# Altium PCB FlatSat.PcbDoc (part 10 of 12)
Units mil, origin at the board's own origin, x right, y up, seen from the top; angles counter-clockwise.
Board outline 4682 x 22047 mil, 4 copper layers (Top Layer, STR GND 1, STR GND 2, Bottom Layer), stack 33.434 mil thick; 381 components, 345 nets, 1605 pads, 1915 vias.
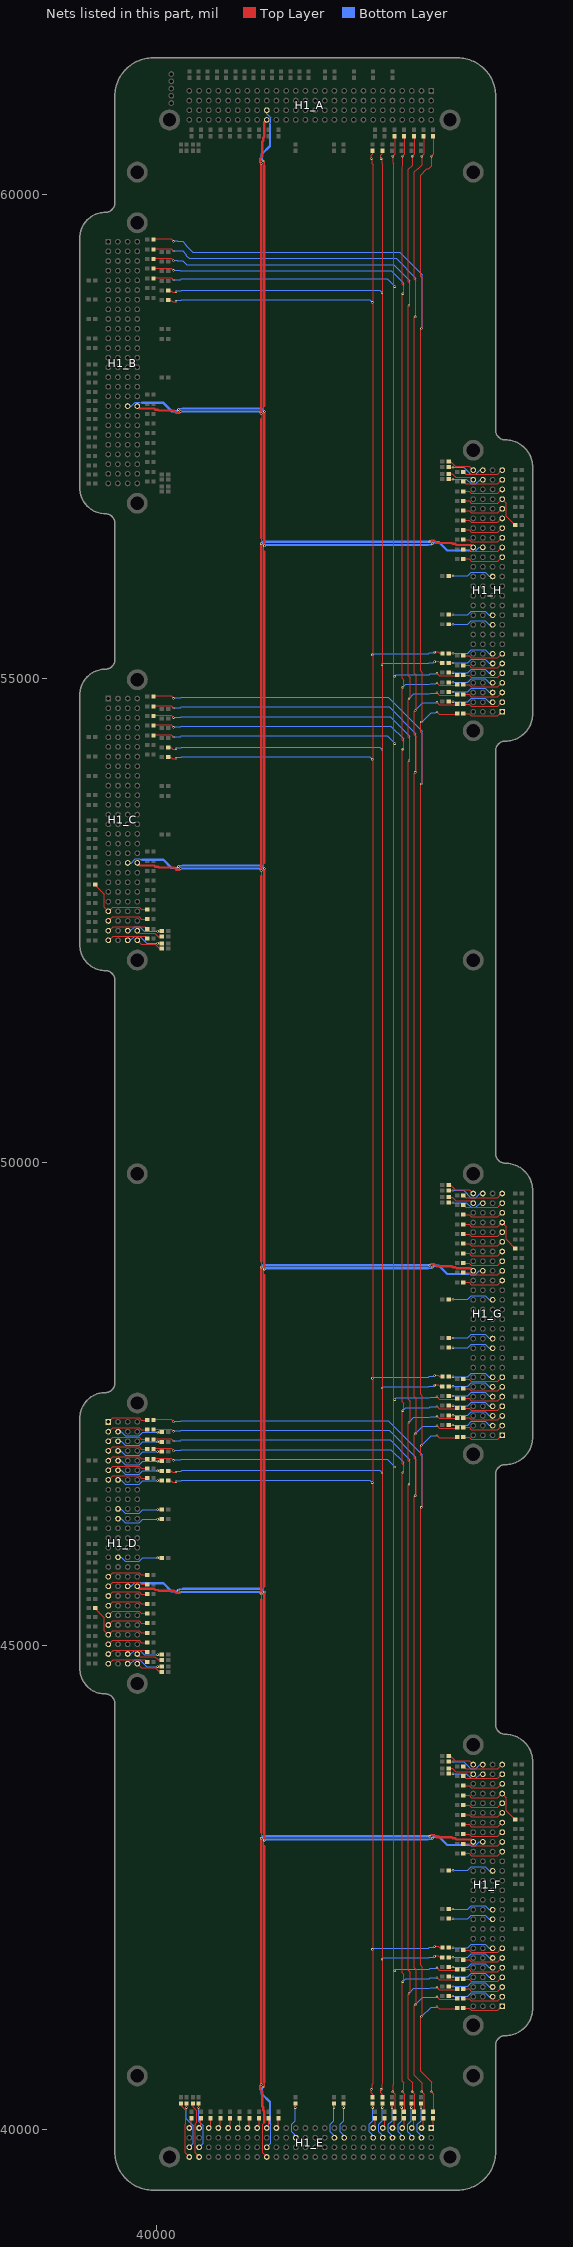
[diagram p12: the nets of this part, all layers, seen from the top]

## Via types
v1: diameter 24, hole 8, Top Layer to Bottom Layer, 1915 vias

## Nets (pads, with @x,y where several pads share a name; then routed paths per layer and width w, separated by ;. In a path a pad name is that pad's centre, name@x,y a point inside that pad or via, vN(x,y) a via of type N, cw(c..) or ccw(c..) an arc to the next point about the centre after c; other vN are vias at no path point) (continued)
NetH1_C_45: H1_C.45 J45_C.1 R45_C.2 | length 752.4
  Top Layer w8: J45_C.1@39363.48,52862.31 39457.47,52768.32 39457.47,52634.53 H1_C.45@39499,52593 ; H1_C.45@39500.48,52592 39543.01,52634.53 39818.1,52634.53 39840.62,52612 R45_C.2@39900.52,52612
NetH1_C_47: H1_C.47 R47_C.2 | length 427
  Top Layer w8: H1_C.47@39500.48,52492 39543.01,52534.53 39818.1,52534.53 39840.62,52512 R47_C.2@39900.52,52512
NetH1_C_49: H1_C.49 R49_C.2 | length 427
  Top Layer w8: H1_C.49@39500.48,52392 39505.43,52392 39547.95,52434.53 39877.99,52434.53 R49_C.2@39900.52,52412
NetH1_C_51: H1_C.51 R51_C.2 | length 427
  Top Layer w8: H1_C.51@39500.48,52292 39505.43,52292 39547.95,52334.53 39877.99,52334.53 R51_C.2@39900.52,52312
NetH1_C_101: H1_C.101 R101_C.1 | length 393.3
  Top Layer w8: 40023,52387 R101_C.1@40060.52,52387 ; R101_C.1@40037.19,52386.67 R101_C.1@40047.19,52386.67
  Bottom Layer w8: H1_C.101@39700.48,52392 39728,52392 39770.53,52434.53 39821.47,52434.53 39869,52387 v1(40009,52387)
NetH1_C_102: H1_C.102 R102_C.2 | length 261.7
  Top Layer w8: H1_C.102@39800.48,52392 39825.48,52367 39980,52367 40015,52332 40036.86,52332 R102_C.2@40037.19,52331.67
NetH1_C_103: H1_C.103 R103_C.2 | length 383.7
  Top Layer w8: v1@40019.67,52261.67 R103_C.2@40037.19,52261.67 ; R103_C.2@40033,52262 R103_C.2@40043,52262
  Bottom Layer w8: H1_C.103@39700.48,52292 39728,52292 39770.53,52334.53 39823.47,52334.53 39896,52262 v1(40009,52262)
NetH1_C_104: H1_C.104 R104_C.1 | length 272.7
  Top Layer w8: H1_C.104@39800.48,52292 39840.42,52252.06 39985,52252.06 40030.06,52207 R104_C.1@40038,52207
NetH1_D_1: H1_D.1 R1_D.2 | length 427
  Top Layer w8: H1_D.1@39500.48,47312 39543.01,47354.53 39818.1,47354.53 39840.62,47332 R1_D.2@39900.52,47332
NetH1_D_3: H1_D.3 R3_D.2 | length 427
  Top Layer w8: H1_D.3@39500.48,47212 39543.01,47254.53 39818.1,47254.53 39840.62,47232 R3_D.2@39900.52,47232
NetH1_D_4: H1_D.4 R4_D.1 | length 486.5
  Top Layer w8: v1(40009,47207) R4_D.1@40052.19,47207
  Bottom Layer w8: H1_D.4@39598,47212 39631,47212 39672.47,47170.53 39818.53,47170.53 39855,47207 v1(40009,47207)
NetH1_D_5: H1_D.5 R5_D.2 | length 427
  Top Layer w8: H1_D.5@39500.48,47112 39543.01,47154.53 39818.1,47154.53 39840.62,47132 R5_D.2@39900.52,47132
NetH1_D_6: H1_D.6 R6_D.1 | length 486.5
  Top Layer w8: v1(40009,47107) R6_D.1@40052.19,47107
  Bottom Layer w8: H1_D.6@39598,47112 39631,47112 39672.47,47070.53 39818.53,47070.53 39855,47107 v1(40009,47107)
NetH1_D_7: H1_D.7 R7_D.2 | length 427
  Top Layer w8: H1_D.7@39500.48,47012 39543.01,47054.53 39818.1,47054.53 39840.62,47032 R7_D.2@39900.52,47032
NetH1_D_8: H1_D.8 R8_D.1 | length 486.5
  Top Layer w8: v1(40009,47007) R8_D.1@40052.19,47007
  Bottom Layer w8: H1_D.8@39598,47012 39631,47012 39672.47,46970.53 39818.53,46970.53 39855,47007 v1(40009,47007)
NetH1_D_9: H1_D.9 R9_D.2 | length 427
  Top Layer w8: H1_D.9@39500.48,46912 39543.01,46954.53 39818.1,46954.53 39840.62,46932 R9_D.2@39900.52,46932
NetH1_D_10: H1_D.10 R10_D.1 | length 486.5
  Top Layer w8: v1(40009,46907) R10_D.1@40052.19,46907
  Bottom Layer w8: H1_D.10@39598,46912 39631,46912 39672.47,46870.53 39818.53,46870.53 39855,46907 v1(40009,46907)
NetH1_D_11: H1_D.11 R11_D.2 | length 427
  Top Layer w8: H1_D.11@39500.48,46812 39543.01,46854.53 39818.1,46854.53 39840.62,46832 R11_D.2@39900.52,46832
NetH1_D_12: H1_D.12 R12_D.1 | length 486.5
  Top Layer w8: v1(40009,46807) R12_D.1@40052.19,46807
  Bottom Layer w8: H1_D.12@39598,46812 39631,46812 39672.47,46770.53 39818.53,46770.53 39855,46807 v1(40009,46807)
NetH1_D_13: H1_D.13 R13_D.2 | length 427
  Top Layer w8: H1_D.13@39500.48,46712 39543.01,46754.53 39818.1,46754.53 39840.62,46732 R13_D.2@39900.52,46732
NetH1_D_14: H1_D.14 R14_D.1 | length 486.5
  Top Layer w8: v1(40009,46707) R14_D.1@40052.19,46707
  Bottom Layer w8: H1_D.14@39598,46712 39631,46712 39672.47,46670.53 39818.53,46670.53 39855,46707 v1(40009,46707)
NetH1_D_20: H1_D.20 R20_D.1 | length 486.5
  Top Layer w8: v1(40009,46407) R20_D.1@40052.19,46407
  Bottom Layer w8: H1_D.20@39598,46412 39631,46412 39672.47,46370.53 39818.53,46370.53 39855,46407 v1(40009,46407)
NetH1_D_22: H1_D.22 R22_D.1 | length 486.5
  Top Layer w8: v1(40009,46307) R22_D.1@40052.19,46307
  Bottom Layer w8: H1_D.22@39598,46312 39631,46312 39672.47,46270.53 39818.53,46270.53 39855,46307 v1(40009,46307)
NetH1_D_30: H1_D.30 R30_D.1 | length 486.5
  Top Layer w8: v1(40009,45907) R30_D.1@40052.19,45907
  Bottom Layer w8: H1_D.30@39598,45912 39631,45912 39672.47,45870.53 39818.53,45870.53 39855,45907 v1(40009,45907)
NetH1_D_33: H1_D.33 R33_D.2 | length 427
  Top Layer w8: H1_D.33@39500.48,45712 39543.01,45754.53 39818.1,45754.53 39840.62,45732 R33_D.2@39900.52,45732
NetH1_D_35: H1_D.35 R35_D.1 | length 427
  Top Layer w8: H1_D.35@39500.48,45612 39543.01,45654.53 39818.1,45654.53 39840.62,45632 R35_D.1@39900.52,45632
NetH1_D_37: H1_D.37 R37_D.2 | length 427
  Top Layer w8: H1_D.37@39500.48,45512 39543.01,45554.53 39818.1,45554.53 39840.62,45532 R37_D.2@39900.52,45532
NetH1_D_39: H1_D.39 R39_D.2 | length 427
  Top Layer w8: H1_D.39@39500.48,45412 39543.01,45454.53 39818.1,45454.53 39840.62,45432 R39_D.2@39900.52,45432
NetH1_D_41: H1_D.41 R41_D.2 | length 427
  Top Layer w8: H1_D.41@39500.48,45312 39543.01,45354.53 39818.1,45354.53 39840.62,45332 R41_D.2@39900.52,45332
NetH1_D_43: H1_D.43 R43_D.2 | length 427
  Top Layer w8: H1_D.43@39500.48,45212 39543.01,45254.53 39818.1,45254.53 39840.62,45232 R43_D.2@39900.52,45232
NetH1_D_45: H1_D.45 J45_D.1 R45_D.2 | length 752.4
  Top Layer w8: J45_D.1@39363.48,45382.31 39457.47,45288.32 39457.47,45154.53 H1_D.45@39499,45113 ; H1_D.45@39500.48,45112 39543.01,45154.53 39818.1,45154.53 39840.62,45132 R45_D.2@39900.52,45132
NetH1_D_47: H1_D.47 R47_D.2 | length 427
  Top Layer w8: H1_D.47@39500.48,45012 39543.01,45054.53 39818.1,45054.53 39840.62,45032 R47_D.2@39900.52,45032
NetH1_D_49: H1_D.49 R49_D.2 | length 427
  Top Layer w8: H1_D.49@39500.48,44912 39505.43,44912 39547.95,44954.53 39877.99,44954.53 R49_D.2@39900.52,44932
NetH1_D_51: H1_D.51 R51_D.2 | length 427
  Top Layer w8: H1_D.51@39500.48,44812 39505.43,44812 39547.95,44854.53 39877.99,44854.53 R51_D.2@39900.52,44832
NetH1_D_101: H1_D.101 R101_D.1 | length 393.3
  Top Layer w8: 40023,44907 R101_D.1@40060.52,44907 ; R101_D.1@40037.19,44906.67 R101_D.1@40047.19,44906.67
  Bottom Layer w8: H1_D.101@39700.48,44912 39728,44912 39770.53,44954.53 39821.47,44954.53 39869,44907 v1(40009,44907)
NetH1_D_102: H1_D.102 R102_D.2 | length 261.7
  Top Layer w8: H1_D.102@39800.48,44912 39825.48,44887 39980,44887 40015,44852 40036.86,44852 R102_D.2@40037.19,44851.67
NetH1_D_103: H1_D.103 R103_D.2 | length 383.7
  Top Layer w8: v1@40019.67,44781.67 R103_D.2@40037.19,44781.67 ; R103_D.2@40033,44782 R103_D.2@40043,44782
  Bottom Layer w8: H1_D.103@39700.48,44812 39728,44812 39770.53,44854.53 39823.47,44854.53 39896,44782 v1(40009,44782)
NetH1_D_104: H1_D.104 R104_D.1 | length 272.7
  Top Layer w8: H1_D.104@39800.48,44812 39840.42,44772.06 39985,44772.06 40030.06,44727 R104_D.1@40038,44727
NetH1_E_1: H1_E.1 R1_E.2 | length 109.8
  Top Layer w8: H1_E.1@42837,40012 42857,40032 R1_E.2@42857,40113.52
NetH1_E_3: H1_E.3 R3_E.2 | length 109.8
  Top Layer w8: H1_E.3@42737,40012 42757,40032 R3_E.2@42757,40113.52
NetH1_E_4: H1_E.4 R4_E.1 | length 385.5
  Top Layer w8: v1(42732,40222) R4_E.1@42732,40265.19
  Bottom Layer w8: v1(42732,40222) 42732,40089 42695.47,40052.47 42695.47,39972.53 42737,39931 H1_E.4@42737,39912
NetH1_E_5: H1_E.5 R5_E.2 | length 109.8
  Top Layer w8: H1_E.5@42637,40012 42657,40032 R5_E.2@42657,40113.52
NetH1_E_6: H1_E.6 R6_E.1 | length 385.5
  Top Layer w8: v1(42632,40222) R6_E.1@42632,40265.19
  Bottom Layer w8: v1(42632,40222) 42632,40089 42595.47,40052.47 42595.47,39972.53 42637,39931 H1_E.6@42637,39912
NetH1_E_7: H1_E.7 R7_E.2 | length 109.8
  Top Layer w8: H1_E.7@42537,40012 42557,40032 R7_E.2@42557,40113.52
NetH1_E_8: H1_E.8 R8_E.1 | length 385.5
  Top Layer w8: v1(42532,40222) R8_E.1@42532,40265.19
  Bottom Layer w8: v1(42532,40222) 42532,40089 42495.47,40052.47 42495.47,39972.53 42537,39931 H1_E.8@42537,39912
NetH1_E_9: H1_E.9 R9_E.2 | length 109.8
  Top Layer w8: H1_E.9@42437,40012 42457,40032 R9_E.2@42457,40113.52
NetH1_E_10: H1_E.10 R10_E.1 | length 385.5
  Top Layer w8: v1(42432,40222) R10_E.1@42432,40265.19
  Bottom Layer w8: v1(42432,40222) 42432,40089 42395.47,40052.47 42395.47,39972.53 42437,39931 H1_E.10@42437,39912
NetH1_E_11: H1_E.11 R11_E.2 | length 109.8
  Top Layer w8: H1_E.11@42337,40012 42357,40032 R11_E.2@42357,40113.52
NetH1_E_12: H1_E.12 R12_E.1 | length 385.5
  Top Layer w8: v1(42332,40222) R12_E.1@42332,40265.19
  Bottom Layer w8: v1(42332,40222) 42332,40089 42295.47,40052.47 42295.47,39972.53 42337,39931 H1_E.12@42337,39912
NetH1_E_13: H1_E.13 R13_E.2 | length 109.8
  Top Layer w8: H1_E.13@42237,40012 42257,40032 R13_E.2@42257,40113.52
NetH1_E_14: H1_E.14 R14_E.1 | length 385.5
  Top Layer w8: v1(42232,40222) R14_E.1@42232,40265.19
  Bottom Layer w8: v1(42232,40222) 42232,40089 42195.47,40052.47 42195.47,39972.53 42237,39931 H1_E.14@42237,39912
NetH1_E_20: H1_E.20 R20_E.1 | length 385.5
  Top Layer w8: v1(41932,40222) R20_E.1@41932,40265.19
  Bottom Layer w8: v1(41932,40222) 41932,40089 41895.47,40052.47 41895.47,39972.53 41937,39931 H1_E.20@41937,39912
NetH1_E_22: H1_E.22 R22_E.1 | length 385.5
  Top Layer w8: v1(41832,40222) R22_E.1@41832,40265.19
  Bottom Layer w8: v1(41832,40222) 41832,40089 41795.47,40052.47 41795.47,39972.53 41837,39931 H1_E.22@41837,39912
NetH1_E_30: H1_E.30 R30_E.1 | length 385.5
  Top Layer w8: v1(41432,40222) R30_E.1@41432,40265.19
  Bottom Layer w8: v1(41432,40222) 41432,40089 41395.47,40052.47 41395.47,39972.53 41437,39931 H1_E.30@41437,39912
NetH1_E_33: H1_E.33 R33_E.2 | length 109.8
  Top Layer w8: H1_E.33@41237,40012 41257,40032 R33_E.2@41257,40113.52
NetH1_E_35: H1_E.35 R35_E.1 | length 109.8
  Top Layer w8: H1_E.35@41137,40012 41157,40032 R35_E.1@41157,40113.52
NetH1_E_37: H1_E.37 R37_E.2 | length 109.8
  Top Layer w8: H1_E.37@41037,40012 41057,40032 R37_E.2@41057,40113.52
NetH1_E_39: H1_E.39 R39_E.2 | length 109.8
  Top Layer w8: H1_E.39@40937,40012 40957,40032 R39_E.2@40957,40113.52
NetH1_E_41: H1_E.41 R41_E.2 | length 109.8
  Top Layer w8: H1_E.41@40837,40012 40857,40032 R41_E.2@40857,40113.52
NetH1_E_43: H1_E.43 R43_E.2 | length 109.8
  Top Layer w8: H1_E.43@40737,40012 40757,40032 R43_E.2@40757,40113.52
NetH1_E_45: H1_E.45 R45_E.2 | length 109.8
  Top Layer w8: H1_E.45@40637,40012 40657,40032 R45_E.2@40657,40113.52
NetH1_E_47: H1_E.47 R47_E.2 | length 109.8
  Top Layer w8: H1_E.47@40537,40012 40557,40032 R47_E.2@40557,40113.52
NetH1_E_49: H1_E.49 R49_E.2 | length 109.8
  Top Layer w8: H1_E.49@40437,40012 40457,40032 R49_E.2@40457,40113.52
NetH1_E_51: H1_E.51 R51_E.2 | length 109.8
  Top Layer w8: H1_E.51@40337,40012 40357,40032 R51_E.2@40357,40113.52
NetH1_E_101: H1_E.101 R101_E.1 | length 494
  Top Layer w8: R101_E.1@40431.67,40250.19 R101_E.1@40431.67,40260.19 ; 40432,40236 R101_E.1@40432,40273.52
  Bottom Layer w8: v1(40432,40222) 40432,40082 40478.53,40035.47 40478.53,39853.53 H1_E.101@40437,39812
NetH1_E_102: H1_E.102 R102_E.2 | length 576.9
  Top Layer w8: R102_E.2@40376.67,40250.19 40377,40249.86 40377,40225 40412,40190 40412,40069 40395.47,40052.47 40395.47,39753.53 H1_E.102@40437,39712
NetH1_E_103: H1_E.103 R103_E.2 | length 484.3
  Top Layer w8: v1@40306.67,40232.67 R103_E.2@40306.67,40250.19 ; R103_E.2@40307,40246 R103_E.2@40307,40256
  Bottom Layer w8: v1(40307,40222) 40307,40109 40378.53,40037.47 40378.53,39853.53 H1_E.103@40337,39812
NetH1_E_104: H1_E.104 R104_E.1 | length 575.5
  Top Layer w8: R104_E.1@40252,40251 40252,40243.06 40297.06,40198 40297.06,40053.42 40295.47,40051.83 40295.47,39753.53 H1_E.104@40337,39712
NetH1_F_1: H1_F.1 R1_F.2 | length 427
  Top Layer w8: R1_F.2@43170.48,41251 43230.38,41251 43252.9,41228.47 43527.99,41228.47 H1_F.1@43570.52,41271
NetH1_F_3: H1_F.3 R3_F.2 | length 427
  Top Layer w8: R3_F.2@43170.48,41351 43230.38,41351 43252.9,41328.47 43527.99,41328.47 H1_F.3@43570.52,41371
NetH1_F_4: H1_F.4 R4_F.1 | length 486.5
  Top Layer w8: R4_F.1@43018.81,41376 v1(43062,41376)
  Bottom Layer w8: v1(43062,41376) 43216,41376 43252.47,41412.47 43398.53,41412.47 43440,41371 H1_F.4@43473,41371
NetH1_F_5: H1_F.5 R5_F.2 | length 427
  Top Layer w8: R5_F.2@43170.48,41451 43230.38,41451 43252.9,41428.47 43527.99,41428.47 H1_F.5@43570.52,41471
NetH1_F_6: H1_F.6 R6_F.1 | length 486.5
  Top Layer w8: R6_F.1@43018.81,41476 v1(43062,41476)
  Bottom Layer w8: v1(43062,41476) 43216,41476 43252.47,41512.47 43398.53,41512.47 43440,41471 H1_F.6@43473,41471
NetH1_F_7: H1_F.7 R7_F.2 | length 427
  Top Layer w8: R7_F.2@43170.48,41551 43230.38,41551 43252.9,41528.47 43527.99,41528.47 H1_F.7@43570.52,41571
NetH1_F_8: H1_F.8 R8_F.1 | length 486.5
  Top Layer w8: R8_F.1@43018.81,41576 v1(43062,41576)
  Bottom Layer w8: v1(43062,41576) 43216,41576 43252.47,41612.47 43398.53,41612.47 43440,41571 H1_F.8@43473,41571
NetH1_F_9: H1_F.9 R9_F.2 | length 427
  Top Layer w8: R9_F.2@43170.48,41651 43230.38,41651 43252.9,41628.47 43527.99,41628.47 H1_F.9@43570.52,41671
NetH1_F_10: H1_F.10 R10_F.1 | length 486.5
  Top Layer w8: R10_F.1@43018.81,41676 v1(43062,41676)
  Bottom Layer w8: v1(43062,41676) 43216,41676 43252.47,41712.47 43398.53,41712.47 43440,41671 H1_F.10@43473,41671
NetH1_F_11: H1_F.11 R11_F.2 | length 427
  Top Layer w8: R11_F.2@43170.48,41751 43230.38,41751 43252.9,41728.47 43527.99,41728.47 H1_F.11@43570.52,41771
NetH1_F_12: H1_F.12 R12_F.1 | length 486.5
  Top Layer w8: R12_F.1@43018.81,41776 v1(43062,41776)
  Bottom Layer w8: v1(43062,41776) 43216,41776 43252.47,41812.47 43398.53,41812.47 43440,41771 H1_F.12@43473,41771
NetH1_F_13: H1_F.13 R13_F.2 | length 427
  Top Layer w8: R13_F.2@43170.48,41851 43230.38,41851 43252.9,41828.47 43527.99,41828.47 H1_F.13@43570.52,41871
NetH1_F_14: H1_F.14 R14_F.1 | length 486.5
  Top Layer w8: R14_F.1@43018.81,41876 v1(43062,41876)
  Bottom Layer w8: v1(43062,41876) 43216,41876 43252.47,41912.47 43398.53,41912.47 43440,41871 H1_F.14@43473,41871
NetH1_F_20: H1_F.20 R20_F.1 | length 486.5
  Top Layer w8: R20_F.1@43018.81,42176 v1(43062,42176)
  Bottom Layer w8: v1(43062,42176) 43216,42176 43252.47,42212.47 43398.53,42212.47 43440,42171 H1_F.20@43473,42171
NetH1_F_22: H1_F.22 R22_F.1 | length 486.5
  Top Layer w8: R22_F.1@43018.81,42276 v1(43062,42276)
  Bottom Layer w8: v1(43062,42276) 43216,42276 43252.47,42312.47 43398.53,42312.47 43440,42271 H1_F.22@43473,42271
NetH1_F_30: H1_F.30 R30_F.1 | length 486.5
  Top Layer w8: R30_F.1@43018.81,42676 v1(43062,42676)
  Bottom Layer w8: v1(43062,42676) 43216,42676 43252.47,42712.47 43398.53,42712.47 43440,42671 H1_F.30@43473,42671
NetH1_F_33: H1_F.33 R33_F.2 | length 427
  Top Layer w8: R33_F.2@43170.48,42851 43230.38,42851 43252.9,42828.47 43527.99,42828.47 H1_F.33@43570.52,42871
NetH1_F_35: H1_F.35 R35_F.1 | length 427
  Top Layer w8: R35_F.1@43170.48,42951 43230.38,42951 43252.9,42928.47 43527.99,42928.47 H1_F.35@43570.52,42971
NetH1_F_37: H1_F.37 R37_F.2 | length 427
  Top Layer w8: R37_F.2@43170.48,43051 43230.38,43051 43252.9,43028.47 43527.99,43028.47 H1_F.37@43570.52,43071
NetH1_F_39: H1_F.39 R39_F.2 | length 427
  Top Layer w8: R39_F.2@43170.48,43151 43230.38,43151 43252.9,43128.47 43527.99,43128.47 H1_F.39@43570.52,43171
NetH1_F_41: H1_F.41 R41_F.2 | length 427
  Top Layer w8: R41_F.2@43170.48,43251 43230.38,43251 43252.9,43228.47 43527.99,43228.47 H1_F.41@43570.52,43271
NetH1_F_43: H1_F.43 R43_F.2 | length 427
  Top Layer w8: R43_F.2@43170.48,43351 43230.38,43351 43252.9,43328.47 43527.99,43328.47 H1_F.43@43570.52,43371
NetH1_F_45: H1_F.45 J45_F.1 R45_F.2 | length 752.4
  Top Layer w8: R45_F.2@43170.48,43451 43230.38,43451 43252.9,43428.47 43527.99,43428.47 H1_F.45@43570.52,43471 ; H1_F.45@43572,43470 43613.53,43428.47 43613.53,43294.68 J45_F.1@43707.52,43200.69
NetH1_F_47: H1_F.47 R47_F.2 | length 427
  Top Layer w8: R47_F.2@43170.48,43551 43230.38,43551 43252.9,43528.47 43527.99,43528.47 H1_F.47@43570.52,43571
NetH1_F_49: H1_F.49 R49_F.2 | length 427
  Top Layer w8: R49_F.2@43170.48,43651 43193.01,43628.47 43523.05,43628.47 43565.57,43671 H1_F.49@43570.52,43671
NetH1_F_51: H1_F.51 R51_F.2 | length 427
  Top Layer w8: R51_F.2@43170.48,43751 43193.01,43728.47 43523.05,43728.47 43565.57,43771 H1_F.51@43570.52,43771
NetH1_F_101: H1_F.101 R101_F.1 | length 393.3
  Top Layer w8: R101_F.1@43010.48,43676 43048,43676 ; R101_F.1@43023.81,43676.33 R101_F.1@43033.81,43676.33
  Bottom Layer w8: v1(43062,43676) 43202,43676 43249.53,43628.47 43300.47,43628.47 43343,43671 H1_F.101@43370.52,43671
NetH1_F_102: H1_F.102 R102_F.2 | length 261.7
  Top Layer w8: R102_F.2@43033.81,43731.33 43034.14,43731 43056,43731 43091,43696 43245.52,43696 H1_F.102@43270.52,43671
NetH1_F_103: H1_F.103 R103_F.2 | length 383.7
  Top Layer w8: R103_F.2@43028,43801 R103_F.2@43038,43801 ; R103_F.2@43033.81,43801.33 v1@43051.33,43801.33
  Bottom Layer w8: v1(43062,43801) 43175,43801 43247.53,43728.47 43300.47,43728.47 43343,43771 H1_F.103@43370.52,43771
NetH1_F_104: H1_F.104 R104_F.1 | length 272.7
  Top Layer w8: R104_F.1@43033,43856 43040.94,43856 43086,43810.94 43230.58,43810.94 H1_F.104@43270.52,43771
NetH1_G_1: H1_G.1 R1_G.2 | length 427
  Top Layer w8: R1_G.2@43170.48,47156 43230.38,47156 43252.9,47133.47 43527.99,47133.47 H1_G.1@43570.52,47176
NetH1_G_3: H1_G.3 R3_G.2 | length 427
  Top Layer w8: R3_G.2@43170.48,47256 43230.38,47256 43252.9,47233.47 43527.99,47233.47 H1_G.3@43570.52,47276
NetH1_G_4: H1_G.4 R4_G.1 | length 486.5
  Top Layer w8: R4_G.1@43018.81,47281 v1(43062,47281)
  Bottom Layer w8: v1(43062,47281) 43216,47281 43252.47,47317.47 43398.53,47317.47 43440,47276 H1_G.4@43473,47276
NetH1_G_5: H1_G.5 R5_G.2 | length 427
  Top Layer w8: R5_G.2@43170.48,47356 43230.38,47356 43252.9,47333.47 43527.99,47333.47 H1_G.5@43570.52,47376
NetH1_G_6: H1_G.6 R6_G.1 | length 486.5
  Top Layer w8: R6_G.1@43018.81,47381 v1(43062,47381)
  Bottom Layer w8: v1(43062,47381) 43216,47381 43252.47,47417.47 43398.53,47417.47 43440,47376 H1_G.6@43473,47376
NetH1_G_7: H1_G.7 R7_G.2 | length 427
  Top Layer w8: R7_G.2@43170.48,47456 43230.38,47456 43252.9,47433.47 43527.99,47433.47 H1_G.7@43570.52,47476
NetH1_G_8: H1_G.8 R8_G.1 | length 486.5
  Top Layer w8: R8_G.1@43018.81,47481 v1(43062,47481)
  Bottom Layer w8: v1(43062,47481) 43216,47481 43252.47,47517.47 43398.53,47517.47 43440,47476 H1_G.8@43473,47476
NetH1_G_9: H1_G.9 R9_G.2 | length 427
  Top Layer w8: R9_G.2@43170.48,47556 43230.38,47556 43252.9,47533.47 43527.99,47533.47 H1_G.9@43570.52,47576
NetH1_G_10: H1_G.10 R10_G.1 | length 486.5
  Top Layer w8: R10_G.1@43018.81,47581 v1(43062,47581)
  Bottom Layer w8: v1(43062,47581) 43216,47581 43252.47,47617.47 43398.53,47617.47 43440,47576 H1_G.10@43473,47576
NetH1_G_11: H1_G.11 R11_G.2 | length 427
  Top Layer w8: R11_G.2@43170.48,47656 43230.38,47656 43252.9,47633.47 43527.99,47633.47 H1_G.11@43570.52,47676
NetH1_G_12: H1_G.12 R12_G.1 | length 486.5
  Top Layer w8: R12_G.1@43018.81,47681 v1(43062,47681)
  Bottom Layer w8: v1(43062,47681) 43216,47681 43252.47,47717.47 43398.53,47717.47 43440,47676 H1_G.12@43473,47676
NetH1_G_13: H1_G.13 R13_G.2 | length 427
  Top Layer w8: R13_G.2@43170.48,47756 43230.38,47756 43252.9,47733.47 43527.99,47733.47 H1_G.13@43570.52,47776
NetH1_G_14: H1_G.14 R14_G.1 | length 486.5
  Top Layer w8: R14_G.1@43018.81,47781 v1(43062,47781)
  Bottom Layer w8: v1(43062,47781) 43216,47781 43252.47,47817.47 43398.53,47817.47 43440,47776 H1_G.14@43473,47776
NetH1_G_20: H1_G.20 R20_G.1 | length 486.5
  Top Layer w8: R20_G.1@43018.81,48081 v1(43062,48081)
  Bottom Layer w8: v1(43062,48081) 43216,48081 43252.47,48117.47 43398.53,48117.47 43440,48076 H1_G.20@43473,48076
NetH1_G_22: H1_G.22 R22_G.1 | length 486.5
  Top Layer w8: R22_G.1@43018.81,48181 v1(43062,48181)
  Bottom Layer w8: v1(43062,48181) 43216,48181 43252.47,48217.47 43398.53,48217.47 43440,48176 H1_G.22@43473,48176
NetH1_G_30: H1_G.30 R30_G.1 | length 486.5
  Top Layer w8: R30_G.1@43018.81,48581 v1(43062,48581)
  Bottom Layer w8: v1(43062,48581) 43216,48581 43252.47,48617.47 43398.53,48617.47 43440,48576 H1_G.30@43473,48576
NetH1_G_33: H1_G.33 R33_G.2 | length 427
  Top Layer w8: R33_G.2@43170.48,48756 43230.38,48756 43252.9,48733.47 43527.99,48733.47 H1_G.33@43570.52,48776
NetH1_G_35: H1_G.35 R35_G.1 | length 427
  Top Layer w8: R35_G.1@43170.48,48856 43230.38,48856 43252.9,48833.47 43527.99,48833.47 H1_G.35@43570.52,48876
NetH1_G_37: H1_G.37 R37_G.2 | length 427
  Top Layer w8: R37_G.2@43170.48,48956 43230.38,48956 43252.9,48933.47 43527.99,48933.47 H1_G.37@43570.52,48976
NetH1_G_39: H1_G.39 R39_G.2 | length 427
  Top Layer w8: R39_G.2@43170.48,49056 43230.38,49056 43252.9,49033.47 43527.99,49033.47 H1_G.39@43570.52,49076
NetH1_G_41: H1_G.41 R41_G.2 | length 427
  Top Layer w8: R41_G.2@43170.48,49156 43230.38,49156 43252.9,49133.47 43527.99,49133.47 H1_G.41@43570.52,49176
NetH1_G_43: H1_G.43 R43_G.2 | length 427
  Top Layer w8: R43_G.2@43170.48,49256 43230.38,49256 43252.9,49233.47 43527.99,49233.47 H1_G.43@43570.52,49276
NetH1_G_45: H1_G.45 J45_G.1 R45_G.2 | length 752.4
  Top Layer w8: R45_G.2@43170.48,49356 43230.38,49356 43252.9,49333.47 43527.99,49333.47 H1_G.45@43570.52,49376 ; H1_G.45@43572,49375 43613.53,49333.47 43613.53,49199.68 J45_G.1@43707.52,49105.69
NetH1_G_47: H1_G.47 R47_G.2 | length 427
  Top Layer w8: R47_G.2@43170.48,49456 43230.38,49456 43252.9,49433.47 43527.99,49433.47 H1_G.47@43570.52,49476
NetH1_G_49: H1_G.49 R49_G.2 | length 427
  Top Layer w8: R49_G.2@43170.48,49556 43193.01,49533.47 43523.05,49533.47 43565.57,49576 H1_G.49@43570.52,49576
NetH1_G_51: H1_G.51 R51_G.2 | length 427
  Top Layer w8: R51_G.2@43170.48,49656 43193.01,49633.47 43523.05,49633.47 43565.57,49676 H1_G.51@43570.52,49676
NetH1_G_101: H1_G.101 R101_G.1 | length 393.3
  Top Layer w8: R101_G.1@43010.48,49581 43048,49581 ; R101_G.1@43023.81,49581.33 R101_G.1@43033.81,49581.33
  Bottom Layer w8: v1(43062,49581) 43202,49581 43249.53,49533.47 43300.47,49533.47 43343,49576 H1_G.101@43370.52,49576
NetH1_G_102: H1_G.102 R102_G.2 | length 261.7
  Top Layer w8: R102_G.2@43033.81,49636.33 43034.14,49636 43056,49636 43091,49601 43245.52,49601 H1_G.102@43270.52,49576
NetH1_G_103: H1_G.103 R103_G.2 | length 383.7
  Top Layer w8: R103_G.2@43028,49706 R103_G.2@43038,49706 ; R103_G.2@43033.81,49706.33 v1@43051.33,49706.33
  Bottom Layer w8: v1(43062,49706) 43175,49706 43247.53,49633.47 43300.47,49633.47 43343,49676 H1_G.103@43370.52,49676
NetH1_G_104: H1_G.104 R104_G.1 | length 272.7
  Top Layer w8: R104_G.1@43033,49761 43040.94,49761 43086,49715.94 43230.58,49715.94 H1_G.104@43270.52,49676
NetH1_H_1: H1_H.1 R1_H.2 | length 427
  Top Layer w8: R1_H.2@43170.48,54636 43230.38,54636 43252.9,54613.47 43527.99,54613.47 H1_H.1@43570.52,54656
NetH1_H_3: H1_H.3 R3_H.2 | length 427
  Top Layer w8: R3_H.2@43170.48,54736 43230.38,54736 43252.9,54713.47 43527.99,54713.47 H1_H.3@43570.52,54756
NetH1_H_4: H1_H.4 R4_H.1 | length 486.5
  Top Layer w8: R4_H.1@43018.81,54761 v1(43062,54761)
  Bottom Layer w8: v1(43062,54761) 43216,54761 43252.47,54797.47 43398.53,54797.47 43440,54756 H1_H.4@43473,54756
NetH1_H_5: H1_H.5 R5_H.2 | length 427
  Top Layer w8: R5_H.2@43170.48,54836 43230.38,54836 43252.9,54813.47 43527.99,54813.47 H1_H.5@43570.52,54856
NetH1_H_6: H1_H.6 R6_H.1 | length 486.5
  Top Layer w8: R6_H.1@43018.81,54861 v1(43062,54861)
  Bottom Layer w8: v1(43062,54861) 43216,54861 43252.47,54897.47 43398.53,54897.47 43440,54856 H1_H.6@43473,54856
NetH1_H_7: H1_H.7 R7_H.2 | length 427
  Top Layer w8: R7_H.2@43170.48,54936 43230.38,54936 43252.9,54913.47 43527.99,54913.47 H1_H.7@43570.52,54956
NetH1_H_8: H1_H.8 R8_H.1 | length 486.5
  Top Layer w8: R8_H.1@43018.81,54961 v1(43062,54961)
  Bottom Layer w8: v1(43062,54961) 43216,54961 43252.47,54997.47 43398.53,54997.47 43440,54956 H1_H.8@43473,54956
NetH1_H_9: H1_H.9 R9_H.2 | length 427
  Top Layer w8: R9_H.2@43170.48,55036 43230.38,55036 43252.9,55013.47 43527.99,55013.47 H1_H.9@43570.52,55056
NetH1_H_10: H1_H.10 R10_H.1 | length 486.5
  Top Layer w8: R10_H.1@43018.81,55061 v1(43062,55061)
  Bottom Layer w8: v1(43062,55061) 43216,55061 43252.47,55097.47 43398.53,55097.47 43440,55056 H1_H.10@43473,55056
NetH1_H_11: H1_H.11 R11_H.2 | length 427
  Top Layer w8: R11_H.2@43170.48,55136 43230.38,55136 43252.9,55113.47 43527.99,55113.47 H1_H.11@43570.52,55156
NetH1_H_12: H1_H.12 R12_H.1 | length 486.5
  Top Layer w8: R12_H.1@43018.81,55161 v1(43062,55161)
  Bottom Layer w8: v1(43062,55161) 43216,55161 43252.47,55197.47 43398.53,55197.47 43440,55156 H1_H.12@43473,55156
NetH1_H_13: H1_H.13 R13_H.2 | length 427
  Top Layer w8: R13_H.2@43170.48,55236 43230.38,55236 43252.9,55213.47 43527.99,55213.47 H1_H.13@43570.52,55256
NetH1_H_14: H1_H.14 R14_H.1 | length 486.5
  Top Layer w8: R14_H.1@43018.81,55261 v1(43062,55261)
  Bottom Layer w8: v1(43062,55261) 43216,55261 43252.47,55297.47 43398.53,55297.47 43440,55256 H1_H.14@43473,55256
NetH1_H_20: H1_H.20 R20_H.1 | length 486.5
  Top Layer w8: R20_H.1@43018.81,55561 v1(43062,55561)
  Bottom Layer w8: v1(43062,55561) 43216,55561 43252.47,55597.47 43398.53,55597.47 43440,55556 H1_H.20@43473,55556
NetH1_H_22: H1_H.22 R22_H.1 | length 486.5
  Top Layer w8: R22_H.1@43018.81,55661 v1(43062,55661)
  Bottom Layer w8: v1(43062,55661) 43216,55661 43252.47,55697.47 43398.53,55697.47 43440,55656 H1_H.22@43473,55656
NetH1_H_30: H1_H.30 R30_H.1 | length 486.5
  Top Layer w8: R30_H.1@43018.81,56061 v1(43062,56061)
  Bottom Layer w8: v1(43062,56061) 43216,56061 43252.47,56097.47 43398.53,56097.47 43440,56056 H1_H.30@43473,56056
NetH1_H_33: H1_H.33 R33_H.2 | length 427
  Top Layer w8: R33_H.2@43170.48,56236 43230.38,56236 43252.9,56213.47 43527.99,56213.47 H1_H.33@43570.52,56256
NetH1_H_35: H1_H.35 R35_H.1 | length 427
  Top Layer w8: R35_H.1@43170.48,56336 43230.38,56336 43252.9,56313.47 43527.99,56313.47 H1_H.35@43570.52,56356
NetH1_H_37: H1_H.37 R37_H.2 | length 427
  Top Layer w8: R37_H.2@43170.48,56436 43230.38,56436 43252.9,56413.47 43527.99,56413.47 H1_H.37@43570.52,56456
NetH1_H_39: H1_H.39 R39_H.2 | length 427
  Top Layer w8: R39_H.2@43170.48,56536 43230.38,56536 43252.9,56513.47 43527.99,56513.47 H1_H.39@43570.52,56556
NetH1_H_41: H1_H.41 R41_H.2 | length 427
  Top Layer w8: R41_H.2@43170.48,56636 43230.38,56636 43252.9,56613.47 43527.99,56613.47 H1_H.41@43570.52,56656
NetH1_H_43: H1_H.43 R43_H.2 | length 427
  Top Layer w8: R43_H.2@43170.48,56736 43230.38,56736 43252.9,56713.47 43527.99,56713.47 H1_H.43@43570.52,56756
NetH1_H_45: H1_H.45 J45_H.1 R45_H.2 | length 752.4
  Top Layer w8: R45_H.2@43170.48,56836 43230.38,56836 43252.9,56813.47 43527.99,56813.47 H1_H.45@43570.52,56856 ; H1_H.45@43572,56855 43613.53,56813.47 43613.53,56679.68 J45_H.1@43707.52,56585.69
NetH1_H_47: H1_H.47 R47_H.2 | length 427
  Top Layer w8: R47_H.2@43170.48,56936 43230.38,56936 43252.9,56913.47 43527.99,56913.47 H1_H.47@43570.52,56956
NetH1_H_49: H1_H.49 R49_H.2 | length 427
  Top Layer w8: R49_H.2@43170.48,57036 43193.01,57013.47 43523.05,57013.47 43565.57,57056 H1_H.49@43570.52,57056
NetH1_H_51: H1_H.51 R51_H.2 | length 427
  Top Layer w8: R51_H.2@43170.48,57136 43193.01,57113.47 43523.05,57113.47 43565.57,57156 H1_H.51@43570.52,57156
NetH1_H_101: H1_H.101 R101_H.1 | length 393.3
  Top Layer w8: R101_H.1@43010.48,57061 43048,57061 ; R101_H.1@43023.81,57061.33 R101_H.1@43033.81,57061.33
  Bottom Layer w8: v1(43062,57061) 43202,57061 43249.53,57013.47 43300.47,57013.47 43343,57056 H1_H.101@43370.52,57056
NetH1_H_102: H1_H.102 R102_H.2 | length 261.7
  Top Layer w8: R102_H.2@43033.81,57116.33 43034.14,57116 43056,57116 43091,57081 43245.52,57081 H1_H.102@43270.52,57056
NetH1_H_103: H1_H.103 R103_H.2 | length 383.7
  Top Layer w8: R103_H.2@43028,57186 R103_H.2@43038,57186 ; R103_H.2@43033.81,57186.33 v1@43051.33,57186.33
  Bottom Layer w8: v1(43062,57186) 43175,57186 43247.53,57113.47 43300.47,57113.47 43343,57156 H1_H.103@43370.52,57156
NetH1_H_104: H1_H.104 R104_H.1 | length 272.7
  Top Layer w8: R104_H.1@43033,57241 43040.94,57241 43086,57195.94 43230.58,57195.94 H1_H.104@43270.52,57156
PAYLOAD_SS1: R1_A.1 R1_B.1 R1_C.1 R1_D.1 R1_E.1 R1_F.1 R1_G.1 R1_H.1 | length 32450.4
  Top Layer w8: R1_D.1@39965.48,47332 39965.48,47339.67 40148.33,47339.67 v1(40173,47315) ; R1_C.1@39965.48,54812 39965.48,54819.67 40148.33,54819.67 v1(40173,54795) ; R1_B.1@39965.48,59537 39965.48,59544.67 40148.33,59544.67 v1(40173,59520) ; 42728,54541 42728,54446 42745,54429 42745,53919 v1(42736,53910) 42728,53902 42728,47600.1 42747.25,47580.84 42747.25,47081.25 v1(42736,47070) 42728,47062 42728,46966 42745,46949 42745,46439 v1(42736,46430) 42728,46422 42728,41695.1 42747.25,41675.84 42747.25,41176.25 v1(42736,41165) 42728,41157 42728,40601.25 42845,40484.25 42845,40400 42840,40395 v1(42840,40386) 42864.67,40361.33 42864.67,40178.48 R1_E.1@42857,40178.48 ; v1@42728,54542 v1(42736,54550) 42747.25,54561.25 42747.25,55060.84 42728,55080.1 42728,58620 v1(42736,58620) ; v1@42744,58620 42744,59139.16 42728,59155.16 42728,60204.29 42793.71,60270 42812.25,60270 42845,60302.75 42845,60387 42840,60392 v1(42840,60401) 42864.67,60425.67 42864.67,60608.52 R1_A.1@42857,60608.52 ; v1(42898,41268) 42922.67,41243.33 43105.52,41243.33 R1_F.1@43105.52,41251 ; v1(42898,47173) 42922.67,47148.33 43105.52,47148.33 R1_G.1@43105.52,47156 ; v1(42898,54653) 42922.67,54628.33 43105.52,54628.33 R1_H.1@43105.52,54636
  Bottom Layer w8: v1(40173,47315) 40182,47315 40187,47320 40245.78,47320 40252.78,47327 42393.63,47327 42745,46975.63 42745,46440 v1@42735,46430 ; v1(40173,54795) 40182,54795 40187,54800 40245.78,54800 40252.78,54807 42393.63,54807 42745,54455.63 42745,53920 v1@42735,53910 ; v1(40173,59520) 40182,59520 40187,59525 40212,59525 40217,59520 40267.2,59520 40304.82,59482.37 40304.82,59472.88 40369.71,59408 42510,59408 42744,59174 v1@42744,58620 ; v1@42738,41165 42836,41263 42884,41263 42889,41268 v1(42898,41268) ; v1@42738,47070 42836,47168 42884,47168 42889,47173 v1(42898,47173) ; v1@42738,54550 42836,54648 42884,54648 42889,54653 v1(42898,54653)
PAYLOAD_SS2: R3_A.1 R3_B.1 R3_C.1 R3_D.1 R3_E.1 R3_F.1 R3_G.1 R3_H.1 | length 31858
  Top Layer w8: R3_D.1@39965.48,47232 39965.48,47239.67 40148.33,47239.67 v1(40173,47215) ; R3_C.1@39965.48,54712 39965.48,54719.67 40148.33,54719.67 v1(40173,54695) ; R3_B.1@39965.48,59437 39965.48,59444.67 40148.33,59444.67 v1(40173,59420) ; v1(42672,58740) 42664,58740 42664,55053.59 42683.25,55034.33 42683.25,54681.25 v1(42672,54670) 42664,54662 42664,54419.49 42681,54402.49 42681,54039 v1(42672,54030) 42664,54022 42664,47573.59 42683.25,47554.33 42683.25,47201.25 v1(42672,47190) 42664,47182 42664,46939.49 42681,46922.49 42681,46559 v1(42672,46550) 42664,46542 42664,41668.59 42683.25,41649.33 42683.25,41296.25 v1(42672,41285) 42664,41277 42664,40556.2 42745,40475.2 42745,40400 42740,40395 v1(42740,40386) 42764.67,40361.33 42764.67,40178.48 R3_E.1@42757,40178.48 ; v1@42680,58740 42680,59112.65 42664,59128.65 42664,60237.49 42696.51,60270 42703.2,60270 42745,60311.8 42745,60387 42740,60392 v1(42740,60401) 42764.67,60425.67 42764.67,60608.52 R3_A.1@42757,60608.52 ; v1(42898,41368) 42922.67,41343.33 43105.52,41343.33 R3_F.1@43105.52,41351 ; v1(42898,47273) 42922.67,47248.33 43105.52,47248.33 R3_G.1@43105.52,47256 ; v1(42898,54753) 42922.67,54728.33 43105.52,54728.33 R3_H.1@43105.52,54736
  Bottom Layer w8: v1(40173,47215) 40182,47215 40187,47220 40245.78,47220 40252.78,47227 42402.27,47227 42680,46949.27 42680,46582 ; v1(40173,54695) 40182,54695 40187,54700 40245.78,54700 40252.78,54707 42402.27,54707 42680,54429.27 42680,54062 ; v1(40173,59420) 40182,59420 40187,59425 40207,59425 40211,59421 40266.2,59421 40304,59383.2 40304,59373.71 40333.71,59344 42476.22,59344 42680,59140.22 v1@42680,58740 ; v1@42671,46548 42671,46561.06 42680,46570.06 42680,46580 ; v1@42671,54028 42671,54041.06 42680,54050.06 42680,54060 ; v1(42672,41285) 42750,41363 42884,41363 42889,41368 v1(42898,41368) ; v1(42672,47190) 42750,47268 42884,47268 42889,47273 v1(42898,47273) ; v1(42672,54670) 42750,54748 42884,54748 42889,54753 v1(42898,54753)
PAYLOAD_SS3: R5_A.1 R5_B.1 R5_C.1 R5_D.1 R5_E.1 R5_F.1 R5_G.1 R5_H.1 | length 31259.4
  Top Layer w8: R5_D.1@39965.48,47132 39965.48,47139.67 40148.33,47139.67 v1(40173,47115) ; R5_C.1@39965.48,54612 39965.48,54619.67 40148.33,54619.67 v1(40173,54595) ; R5_B.1@39965.48,59337 39965.48,59344.67 40148.33,59344.67 v1(40173,59320) ; v1(42608,58860) 42600,58860 42600,55027.08 42619.25,55007.82 42619.25,54801.25 v1(42608,54790) 42600,54782 42600,54390.37 42617,54373.37 42617,54159 v1(42608,54150) 42600,54142 42600,47547.08 42619.25,47527.82 42619.25,47321.25 v1(42608,47310) 42600,47302 42600,46910.37 42617,46893.37 42617,46679 v1(42608,46670) 42600,46662 42600,41642.08 42619.25,41622.82 42619.25,41416.25 v1(42608,41405) 42600,41397 42600,40523 42645,40478 42645,40400 42640,40395 v1(42640,40386) 42664.67,40361.33 42664.67,40178.48 R5_E.1@42657,40178.48 ; v1@42616,58860 42616,59086.14 42600,59102.14 42600,60264 42645,60309 42645,60387 42640,60392 v1(42640,60401) 42664.67,60425.67 42664.67,60608.52 R5_A.1@42657,60608.52 ; v1(42898,41468) 42922.67,41443.33 43105.52,41443.33 R5_F.1@43105.52,41451 ; v1(42898,47373) 42922.67,47348.33 43105.52,47348.33 R5_G.1@43105.52,47356 ; v1(42898,54853) 42922.67,54828.33 43105.52,54828.33 R5_H.1@43105.52,54836
  Bottom Layer w8: v1(40173,47115) 40182,47115 40187,47120 40245.78,47120 40252.78,47127 42411.76,47127 42616,46922.76 42616,46690.06 42608,46682.06 v1@42608,46671 ; v1(40173,54595) 40182,54595 40187,54600 40245.78,54600 40252.78,54607 42411.76,54607 42616,54402.76 42616,54170.06 42608,54162.06 v1@42608,54151 ; v1(40173,59320) 40177,59324 40209,59324 40213,59320 40267.2,59320 40307.2,59280 42449.71,59280 42616,59113.71 v1@42616,58860 ; v1(42608,41405) 42659,41456 42818.22,41456 42825.22,41463 42884,41463 42889,41468 v1(42898,41468) ; v1(42608,47310) 42659,47361 42818.22,47361 42825.22,47368 42884,47368 42889,47373 v1(42898,47373) ; v1(42608,54790) 42659,54841 42818.22,54841 42825.22,54848 42884,54848 42889,54853 v1(42898,54853)
PAYLOAD_SS4: R7_A.1 R7_B.1 R7_C.1 R7_D.1 R7_E.1 R7_F.1 R7_G.1 R7_H.1 | length 30681.2
  Top Layer w8: R7_D.1@39965.48,47032 39965.48,47039.67 40148.33,47039.67 v1(40173,47015) ; R7_C.1@39965.48,54512 39965.48,54519.67 40148.33,54519.67 v1(40173,54495) ; R7_B.1@39965.48,59237 39965.48,59244.67 40148.33,59244.67 v1(40173,59220) ; v1(42544,58980) 42536,58980 42536,55000.57 42555.25,54981.31 42555.25,54921.25 v1(42544,54910) 42536,54902 42536,54362.57 42553,54345.57 42553,54279 v1(42544,54270) 42536,54262 42536,47520.57 42555.25,47501.31 42555.25,47441.25 v1(42544,47430) 42536,47422 42536,46882.57 42553,46865.57 42553,46799 v1(42544,46790) 42536,46782 42536,41615.57 42555.25,41596.31 42555.25,41536.25 v1(42544,41525) 42536,41517 42536,40494 42552,40478 42552,40407 42540,40395 v1(42540,40386) 42564.67,40361.33 42564.67,40178.48 R7_E.1@42557,40178.48 ; v1@42552,58980 42552,59059.63 42536,59075.63 42536,60292 42545,60301 42545,60387 42540,60392 v1(42540,60401) 42564.67,60425.67 42564.67,60608.52 R7_A.1@42557,60608.52 ; v1(42898,41568) 42922.67,41543.33 43105.52,41543.33 R7_F.1@43105.52,41551 ; v1(42898,47473) 42922.67,47448.33 43105.52,47448.33 R7_G.1@43105.52,47456 ; v1(42898,54953) 42922.67,54928.33 43105.52,54928.33 R7_H.1@43105.52,54936
  Bottom Layer w8: v1(40173,47015) 40182,47015 40187,47020 40245.78,47020 40252.78,47027 42421.25,47027 42552,46896.25 42552,46799 v1@42543,46790 ; v1(40173,54495) 40182,54495 40187,54500 40245.78,54500 40252.78,54507 42421.25,54507 42552,54376.25 42552,54279 v1@42543,54270 ; v1(40173,59220) 40177,59224 40209,59224 40213,59220 40239.57,59220 40243.57,59216 42423.2,59216 42552,59087.2 v1@42552,58980 ; v1@42544,41526 42574,41556 42818.22,41556 42825.22,41563 42884,41563 42889,41568 v1(42898,41568) ; v1@42544,47431 42574,47461 42818.22,47461 42825.22,47468 42884,47468 42889,47473 v1(42898,47473) ; v1@42544,54911 42574,54941 42818.22,54941 42825.22,54948 42884,54948 42889,54953 v1(42898,54953)
PAYLOAD_SS5: R9_A.1 R9_B.1 R9_C.1 R9_D.1 R9_E.1 R9_F.1 R9_G.1 R9_H.1 | length 30152.3
  Top Layer w8: R9_D.1@39965.48,46932 39965.48,46939.67 40148.33,46939.67 v1(40173,46915) ; R9_C.1@39965.48,54412 39965.48,54419.67 40148.33,54419.67 v1(40173,54395) ; R9_B.1@39965.48,59137 39965.48,59144.67 40148.33,59144.67 v1(40173,59120) ; R9_E.1@42457,40178.48 42464.67,40178.48 42464.67,40361.33 v1(42440,40386) 42440,40395 42445,40400 42445,40458.78 42452,40465.78 42452,60321.22 42445,60328.22 42445,60387 42440,60392 v1(42440,60401) 42464.67,60425.67 42464.67,60608.52 R9_A.1@42457,60608.52 ; v1(42898,41668) 42922.67,41643.33 43105.52,41643.33 R9_F.1@43105.52,41651 ; v1(42898,47573) 42922.67,47548.33 43105.52,47548.33 R9_G.1@43105.52,47556 ; v1(42898,55053) 42922.67,55028.33 43105.52,55028.33 R9_H.1@43105.52,55036
  Bottom Layer w8: v1(40173,46915) 40182,46915 40187,46920 40245.78,46920 40252.78,46927 42382,46927 v1@42460,46849 ; v1(40173,54395) 40182,54395 40187,54400 40245.78,54400 40252.78,54407 42382,54407 v1@42460,54329 ; v1(40173,59120) 40182,59120 40187,59125 40245.78,59125 40252.78,59132 42382,59132 v1@42460,59054 ; v1(42460,41638) 42478,41656 42818.22,41656 42825.22,41663 42884,41663 42889,41668 v1(42898,41668) ; v1(42460,47543) 42478,47561 42818.22,47561 42825.22,47568 42884,47568 42889,47573 v1(42898,47573) ; v1(42460,55023) 42478,55041 42818.22,55041 42825.22,55048 42884,55048 42889,55053 v1(42898,55053)
  other v1: 42460,46847 42460,54327 42460,59052
PCM_IN_1: H1_A.87 H1_B.87 H1_C.87 H1_D.87 H1_E.87 H1_F.87 H1_G.87 H1_H.87 | length 32694.2
  Top Layer w8: 41112,42928 41104,42936 41104,42980 v1(41112,42988) ; v1(41112,45555) 41104,45563 41104,45607 41112,45615 ; 41112,48833 41104,48841 41104,48885 v1(41112,48893) ; v1(41112,53035) 41104,53043 41104,53087 41112,53095 ; 41112,56313 41104,56321 41104,56365 v1(41112,56373) ; v1(41112,57760) 41104,57768 41104,57812 41112,57820
  Top Layer w16: v1(41100,40436) 41109,40445 41109,40475 41112,40478 41112,40483 ; v1(41100,60351) 41109,60342 41109,60312 41112,60309 41112,60304
  Top Layer w24: 41112,40483 41112,42928 ; v1(41112,42988) v1(41112,45555) ; 41112,45615 41112,48833 ; v1(41112,48893) v1(41112,53035) ; 41112,53095 41112,56313 ; v1(41112,56373) v1(41112,57760) ; 41112,57820 41112,60304
  Bottom Layer w8: H1_D.87@39698,45612 39735,45612 39777.53,45654.53 39823.47,45654.53 39833,45645 39848,45645 ; H1_C.87@39698,53092 39735,53092 39777.53,53134.53 39823.47,53134.53 39833,53125 39848,53125 ; H1_B.87@39698,57817 39735,57817 39776.53,57858.53 39824.47,57858.53 39833,57850 39848,57850 ; H1_E.87@41137,39812 41178.53,39853.53 41178.53,40052.47 41170,40061 ; H1_A.87@41137,60876 41137,60839 41178.53,60797.47 41178.53,60749.53 41170,60741 41170,60726 ; 43223,42938 43238,42938 43247.53,42928.47 43293.47,42928.47 43336,42971 H1_F.87@43373,42971 ; 43223,48843 43238,48843 43247.53,48833.47 43293.47,48833.47 43336,48876 H1_G.87@43373,48876 ; 43223,56323 43238,56323 43247.53,56313.47 43293.47,56313.47 43336,56356 H1_H.87@43373,56356
  Bottom Layer w16: v1(40223,45575) 40232,45584 40262,45584 ; v1(40223,53055) 40232,53064 40262,53064 ; v1(40223,57780) 40232,57789 40262,57789 ; 40265,45587 40270,45587 ; 40265,53067 40270,53067 ; 40265,57792 40270,57792 ; 42801,42996 42806,42996 ; 42801,48901 42806,48901 ; 42801,56381 42806,56381 ; 42809,42999 42839,42999 v1(42848,43008) ; 42809,48904 42839,48904 v1(42848,48913) ; 42809,56384 42839,56384 v1(42848,56393)
  Bottom Layer w22: 40208,45560 v1(40223,45575) ; 40208,53040 v1(40223,53055) ; 40208,57765 v1(40223,57780) ; 41085,40421 v1(41100,40436) ; 41085,60366 v1(41100,60351) ; v1(42848,43008) 42863,43023 ; v1(42848,48913) 42863,48928 ; v1(42848,56393) 42863,56408
  Bottom Layer w24: 39848,45645 40068,45645 40153,45560 40208,45560 ; 39848,53125 40068,53125 40153,53040 40208,53040 ; 39848,57850 40068,57850 40153,57765 40208,57765 ; 40270,45587 41080,45587 v1(41112,45555) ; 40270,53067 41080,53067 v1(41112,53035) ; 40270,57792 41080,57792 v1(41112,57760) ; 41085,40421 41085,40366 41170,40281 41170,40061 ; 41085,60366 41085,60421 41170,60506 41170,60726 ; v1(41112,42988) 41120,42996 42801,42996 ; v1(41112,48893) 41120,48901 42801,48901 ; v1(41112,56373) 41120,56381 42801,56381 ; 42863,43023 42918,43023 43003,42938 43223,42938 ; 42863,48928 42918,48928 43003,48843 43223,48843 ; 42863,56408 42918,56408 43003,56323 43223,56323
PCM_IN_2: H1_A.88 H1_B.88 H1_C.88 H1_D.88 H1_E.88 H1_F.88 H1_G.88 H1_H.88 | length 31801.5
  Top Layer w8: 41080,57680 41088,57688 41088,57732 v1(41080,57740) ; 41112,40069 41095.47,40052.47 41095.47,39753.53 H1_E.88@41137,39712
  Top Layer w12: v1@41080,43009 41086,43015 41086,43062 41080,43068 ; 41080,45475 41086,45481 41086,45529 v1(41080,45535) ; v1@41080,48914 41086,48920 41086,48967 41080,48973 ; 41080,52955 41086,52961 41086,53009 v1(41080,53015) ; v1@41080,56394 41086,56400 41086,56447 41080,56453
  Top Layer w22: 40177,45566 40200,45543 40236.25,45543 v1@40248.13,45554.87 ; 40177,53046 40200,53023 40236.25,53023 v1@40248.13,53034.87 ; 40177,57771 40200,57748 40236.25,57748 v1@40248.13,57759.87 ; v1@41079.87,40461.13 41068,40449.25 41068,40413 41091,40390 ; v1@41079.87,60325.87 41068,60337.75 41068,60374 41091,60397 ; v1(41080,43008) v1@41080,43009 ; v1(41080,48913) v1@41080,48914 ; v1(41080,56393) v1@41080,56394 ; 42834.75,43040 42871,43040 42894,43017 ; 42834.75,48945 42871,48945 42894,48922 ; 42834.75,56425 42871,56425 42894,56402
  Top Layer w24: H1_D.88@39798,45612 39823,45587 39972,45587 39984,45575 40012.6,45575 40021.6,45566 40177,45566 ; H1_C.88@39798,53092 39823,53067 39972,53067 39984,53055 40012.6,53055 40021.6,53046 40177,53046 ; H1_B.88@39798,57817 39823,57792 39972,57792 39984,57780 40012.6,57780 40021.6,57771 40177,57771 ; v1(41080,40461) v1(41080,43008) ; 41080,43068 41080,45475 ; v1(41080,45535) v1(41080,48913) ; 41080,48973 41080,52954 ; v1(41080,53015) v1(41080,56393) ; 41080,56453 41080,57680 ; v1(41080,57740) v1(41080,60326) ; 41091,40390 41091,40234.6 41100,40225.6 41100,40197 41112,40185 41112,40069 ; 41091,60397 41091,60552.4 41100,60561.4 41100,60590 41112,60602 41112,60751 H1_A.88@41137,60776 ; 42894,43017 43049.4,43017 43058.4,43008 43087,43008 43099,42996 43248,42996 H1_F.88@43273,42971 ; 42894,48922 43049.4,48922 43058.4,48913 43087,48913 43099,48901 43248,48901 H1_G.88@43273,48876 ; 42894,56402 43049.4,56402 43058.4,56393 43087,56393 43099,56381 43248,56381 H1_H.88@43273,56356
  Bottom Layer w24: v1(40248,45555) 41060,45555 v1(41080,45535) ; v1(40248,53035) 41060,53035 v1(41080,53015) ; v1(40248,57760) 41060,57760 v1(41080,57740) ; v1(41080,43008) 41100,43028 v1(42823,43028) ; v1(41080,48913) 41100,48933 v1(42823,48933) ; v1(41080,56393) 41100,56413 v1(42823,56413)
PWM2SMARD_A: R12_A.2 R12_B.2 R12_C.2 R12_D.2 R12_E.2 R12_F.2 R12_G.2 R12_H.2 | length 28815.4
  Top Layer w8: R12_D.2@40117.15,46807 R12_D.2@40117.48,46807 40146,46807 40163,46790 40193,46790 v1(40198,46795) ; R12_C.2@40117.15,54287 R12_C.2@40117.48,54287 40146,54287 40163,54270 40193,54270 v1(40198,54275) ; R12_B.2@40117.15,59012 R12_B.2@40117.48,59012 40146,59012 40163,58995 40193,58995 v1(40198,59000) ; R12_E.2@42332,40330.15 R12_E.2@42332,40330.48 42332,40359 42315,40376 42315,40406 v1(42320,40411) 42329,40420 42329,40465.41 42336,40472.41 42336,60314.59 42329,60321.59 42329,60367 v1(42320,60376) 42315,60381 42315,60411 42332,60428 R12_A.2@42332,60456.52 R12_A.2@42332,60456.85 ; v1(42873,41788) 42878,41793 42908,41793 42925,41776 R12_F.2@42953.52,41776 R12_F.2@42953.85,41776 ; v1(42873,47693) 42878,47698 42908,47698 42925,47681 R12_G.2@42953.52,47681 R12_G.2@42953.85,47681 ; v1(42873,55173) 42878,55178 42908,55178 42925,55161 R12_H.2@42953.52,55161 R12_H.2@42953.85,55161
  Bottom Layer w8: v1(40198,46795) 40207,46804 40252.41,46804 40259.41,46811 42303,46811 v1@42329,46785 ; v1(40198,54275) 40207,54284 40252.41,54284 40259.41,54291 42303,54291 v1@42329,54265 ; v1(40198,59000) 40207,59009 40252.41,59009 40259.41,59016 42303,59016 v1@42329,58990 ; v1(42328,41758) 42342,41772 42811.59,41772 42818.59,41779 42864,41779 v1(42873,41788) ; v1(42328,47663) 42342,47677 42811.59,47677 42818.59,47684 42864,47684 v1(42873,47693) ; v1(42328,55143) 42342,55157 42811.59,55157 42818.59,55164 42864,55164 v1(42873,55173)
  other v1: 42328,46785 42328,54265 42328,58990
PWM2SMARD_B: R14_A.2 R14_B.2 R14_C.2 R14_D.2 R14_E.2 R14_F.2 R14_G.2 R14_H.2 | length 28808.2
  Top Layer w8: R14_D.2@40117.15,46707 40146,46707 40163,46690 40193,46690 v1(40198,46695) ; R14_C.2@40117.15,54187 40146,54187 40163,54170 40193,54170 v1(40198,54175) ; R14_B.2@40117.15,58912 40146,58912 40163,58895 40193,58895 v1(40198,58900) ; R14_E.2@42232,40330.15 42232,40359 42215,40376 42215,40406 v1(42220,40411) 42229,40420 42229,40465.41 42236,40472.41 42236,60314.59 42229,60321.59 42229,60367 v1(42220,60376) 42215,60381 42215,60411 42232,60428 R14_A.2@42232,60456.85 ; v1(42873,41888) 42878,41893 42908,41893 42925,41876 R14_F.2@42953.85,41876 ; v1(42873,47793) 42878,47798 42908,47798 42925,47781 R14_G.2@42953.85,47781 ; v1(42873,55273) 42878,55278 42908,55278 42925,55261 R14_H.2@42953.85,55261
  Bottom Layer w8: v1(40198,46695) 40207,46704 40252.41,46704 40259.41,46711 42202,46711 v1(42228,46685) ; v1(40198,54175) 40207,54184 40252.41,54184 40259.41,54191 42202,54191 v1(42228,54165) ; v1(40198,58900) 40207,58909 40252.41,58909 40259.41,58916 42202,58916 v1(42228,58890) ; v1(42229,41859) 42242,41872 42811.59,41872 42818.59,41879 42864,41879 v1(42873,41888) ; v1(42229,47764) 42242,47777 42811.59,47777 42818.59,47784 42864,47784 v1(42873,47793) ; v1(42229,55244) 42242,55257 42811.59,55257 42818.59,55264 42864,55264 v1(42873,55273)